# KiCad board panelised.kicad_pcb
title: Sensor Board PCB; date: 15/12/2025 (Last Edit); rev: B; company: The Retrievers
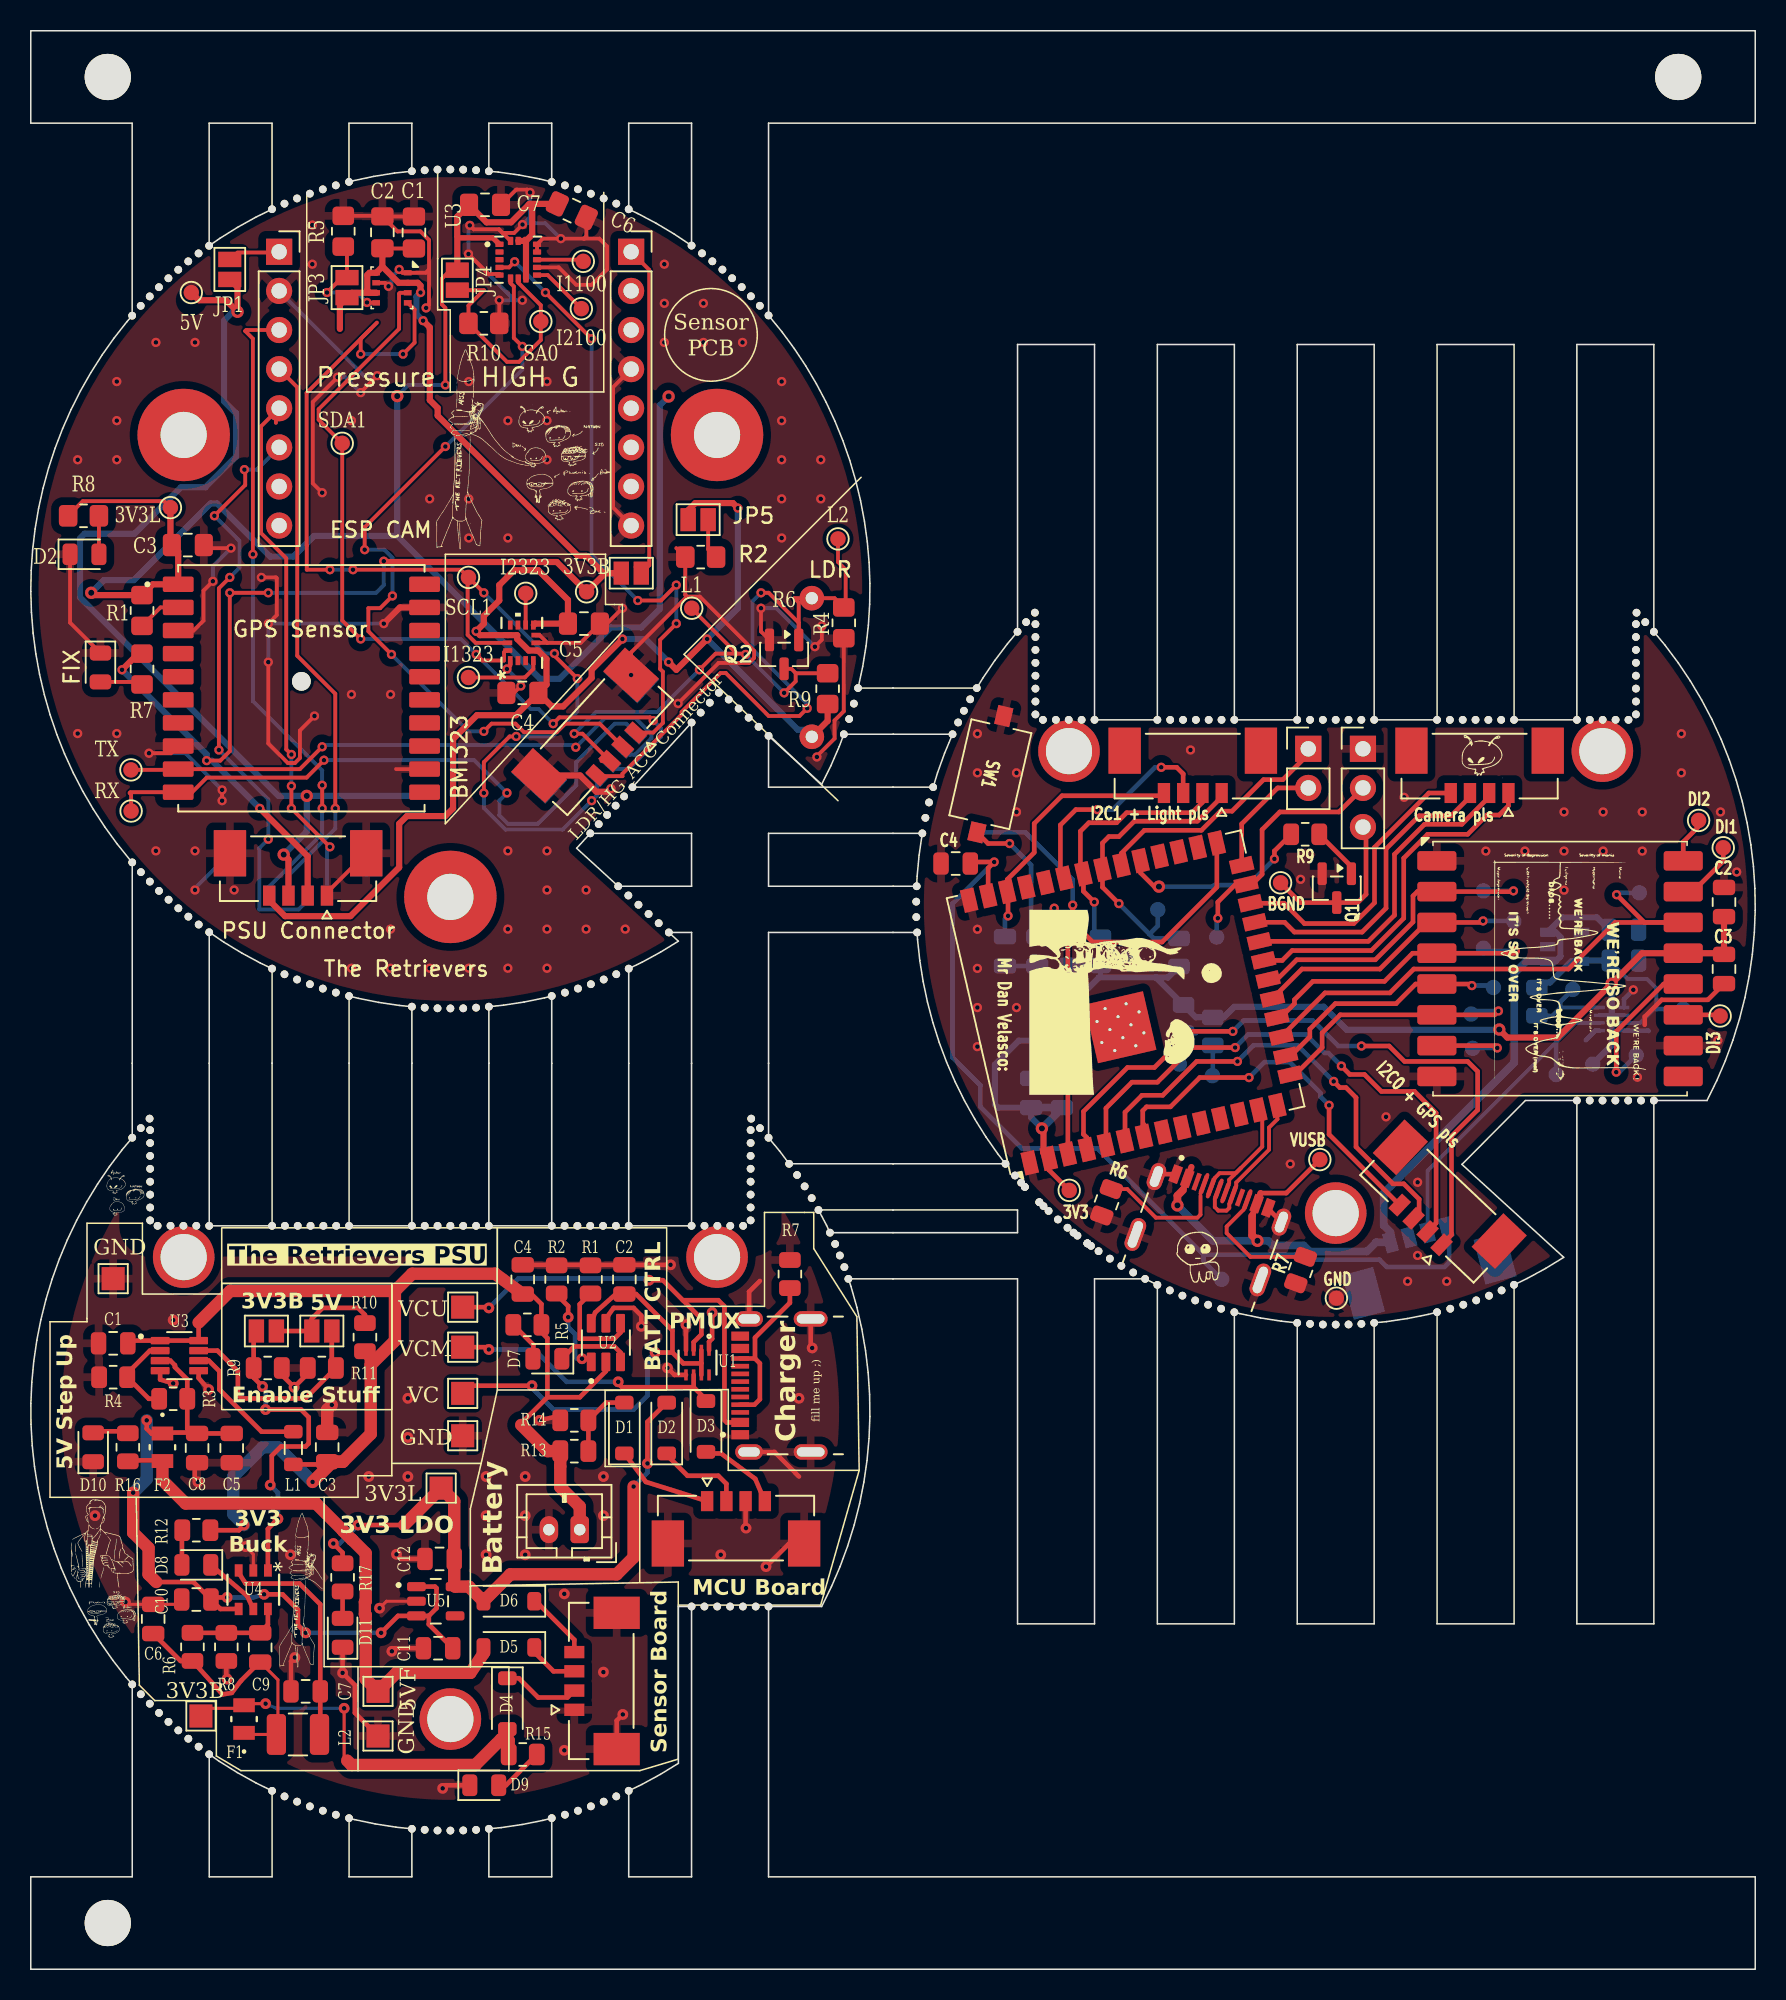
[diagram p0: board, top side]
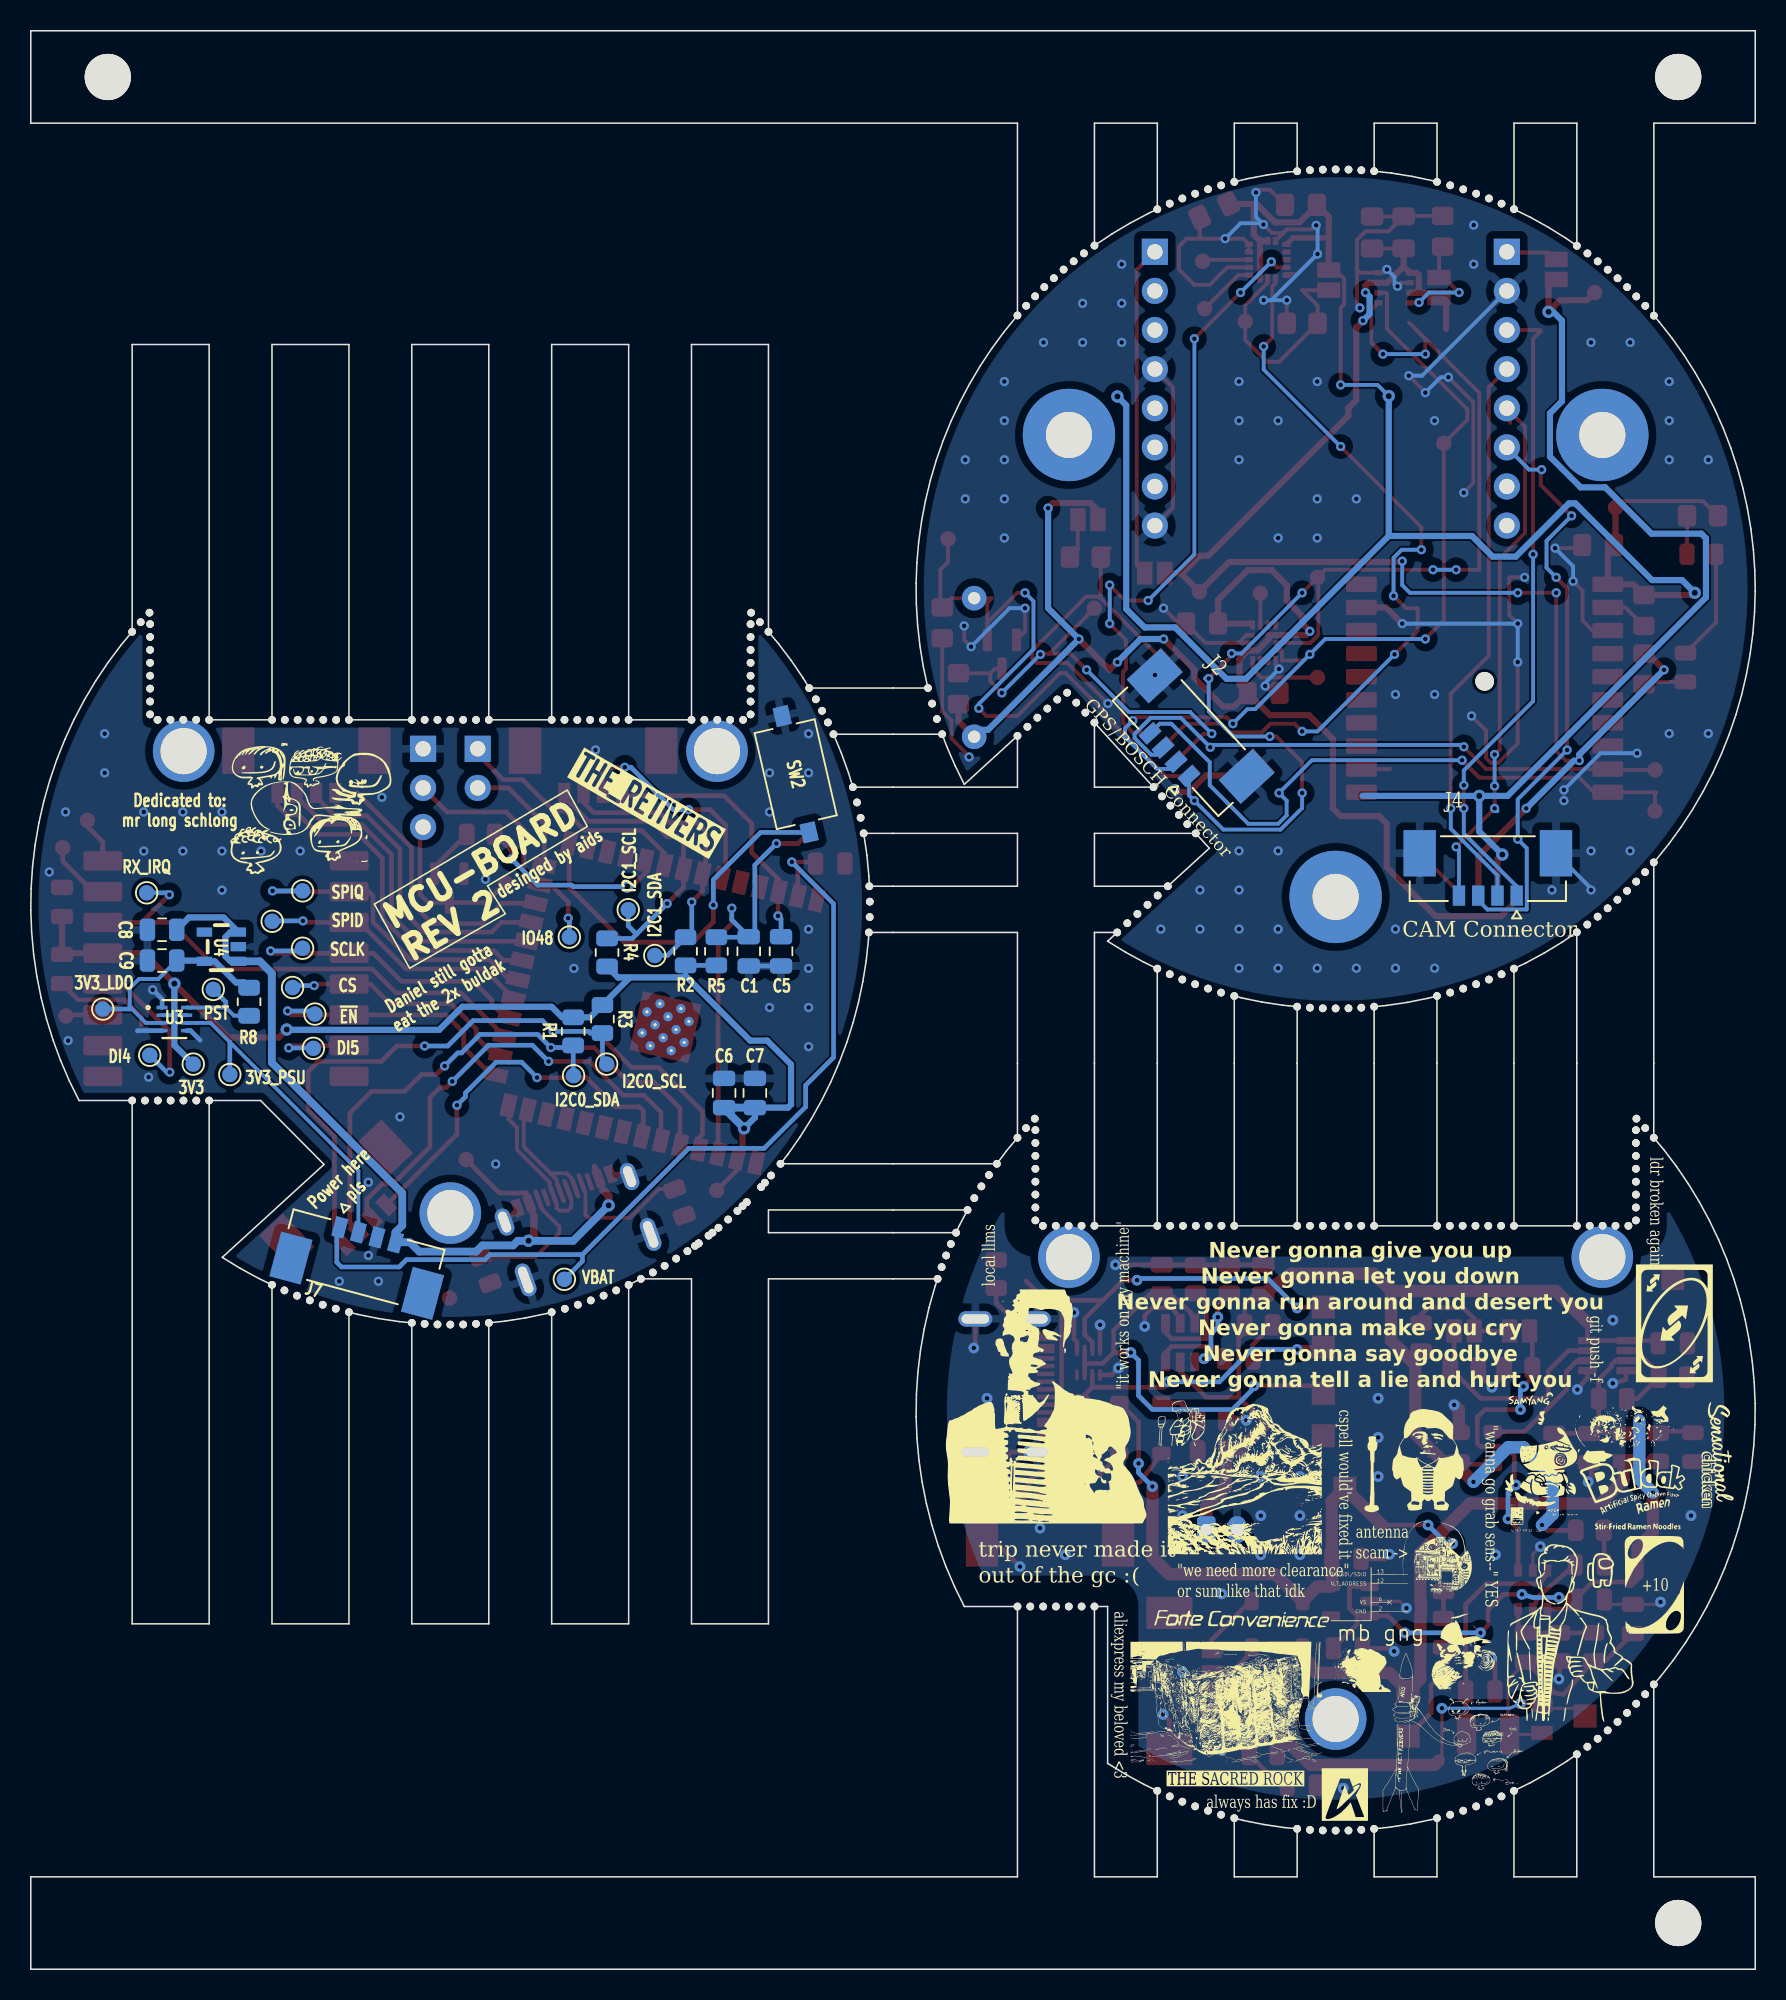
[diagram p1: board, bottom side, seen from below]

Outline 111.99 x 125.88 mm; copper layers: Top, Bottom. Coordinates in mm from the lower left corner of the outline.
Outline path: 42.91,111.93 41.79,112.69 40.62,113.38 39.42,114.02 38.83,114.29 38.83,119.88 42.91,119.88 42.91,111.93 ; 0,125.88 0,119.88 6.58,119.88 6.58,107.38 6.24,106.99 5.41,105.93 4.62,104.82 3.9,103.68 3.23,102.5 2.62,101.29 2.07,100.05 1.58,98.78 1.16,97.5 0.8,96.19 0.51,94.86 0.28,93.53 0.12,92.18 0.03,90.83 0,89.47 0.04,88.12 0.15,86.77 0.33,85.42 0.57,84.09 0.88,82.77 1.25,81.47 1.69,80.18 2.19,78.92 2.76,77.69 3.38,76.49 4.06,75.32 4.81,74.18 5.6,73.09 6.45,72.03 6.59,71.88 6.59,54 5.94,53.22 5.11,52.13 4.34,50.99 3.63,49.82 2.97,48.62 2.38,47.38 1.85,46.12 1.39,44.83 0.99,43.51 0.66,42.18 0.39,40.84 0.19,39.48 0.07,38.12 0.01,36.75 0.01,35.38 0.09,34.01 0.24,32.64 0.45,31.29 0.74,29.95 1.09,28.62 1.5,27.32 1.99,26.03 2.53,24.78 3.14,23.55 3.81,22.35 4.54,21.19 5.32,20.06 6.17,18.98 6.59,18.49 6.59,6 0,6 0,0 111.99,0 111.99,6 47.91,6 47.91,23.55 51.36,23.55 52,24.84 52.56,26.15 53.05,27.49 53.48,28.85 53.83,30.23 54.11,31.63 54.31,33.05 54.44,34.47 54.5,35.9 54.48,37.32 54.38,38.75 54.21,40.17 53.97,41.57 53.66,42.97 53.27,44.34 53.1,44.83 64.08,44.83 64.08,22.43 69.08,22.43 69.08,44.83 72.37,44.83 73.17,44.44 73.17,22.43 78.17,22.43 78.17,42.67 78.52,42.57 79.86,42.3 81.22,42.08 82.25,41.98 82.25,22.43 87.25,22.43 87.25,41.98 88.05,42.06 89.41,42.26 90.76,42.52 91.33,42.67 91.33,22.43 96.33,22.43 96.33,44.45 97.18,44.86 98.39,45.51 99.56,46.23 92.95,52.26 97.07,56.41 100.41,56.41 100.41,22.43 105.41,22.43 105.41,56.41 108.86,56.41 109.49,57.69 110.06,59.01 110.55,60.35 110.97,61.71 111.33,63.09 111.6,64.49 111.81,65.91 111.94,67.33 111.99,68.75 111.97,70.18 111.88,71.61 111.71,73.02 111.47,74.43 111.15,75.82 110.77,77.2 110.31,78.55 109.78,79.88 109.18,81.17 108.51,82.44 107.78,83.66 106.99,84.85 106.13,85.99 105.41,86.86 105.41,105.51 100.41,105.51 100.41,81.14 96.33,81.14 96.33,105.51 91.33,105.51 91.33,81.14 87.25,81.14 87.25,105.51 82.25,105.51 82.25,81.14 78.17,81.14 78.17,105.51 73.17,105.51 73.17,81.14 69.08,81.14 69.08,105.51 64.08,105.51 64.08,86.86 63.43,86.08 62.61,84.99 61.84,83.85 61.44,83.2 53.73,83.2 53.75,83.27 54.03,84.6 54.25,85.94 54.4,87.28 54.48,88.64 54.5,89.99 54.45,91.35 54.33,92.7 54.14,94.04 53.89,95.37 53.57,96.69 53.19,97.99 52.74,99.27 52.23,100.53 51.66,101.75 51.02,102.95 50.33,104.12 49.58,105.25 48.78,106.34 47.92,107.39 47.91,107.4 47.91,119.88 111.99,119.88 111.99,125.88 0,125.88 ; 11.58,119.88 15.67,119.88 15.67,114.3 14.61,113.78 13.43,113.12 12.28,112.4 11.58,111.92 11.58,119.88 ; 11.59,67.34 12.55,66.69 13.71,65.99 14.9,65.34 15.67,64.98 15.67,48.28 11.59,48.28 11.59,67.34 ; 11.59,13.96 12.25,13.49 13.42,12.77 14.61,12.1 15.67,11.58 15.67,6 11.59,6 11.59,13.96 ; 20.67,119.88 24.75,119.88 24.75,116.77 23.61,116.64 22.27,116.43 20.95,116.15 20.67,116.07 20.67,119.88 ; 20.67,63.2 21.26,63.05 22.59,62.79 23.93,62.59 24.75,62.51 24.75,48.28 20.67,48.28 20.67,63.2 ; 20.67,9.81 21.02,9.72 22.36,9.44 23.72,9.22 24.75,9.12 24.75,6 20.67,6 20.67,9.81 ; 29.75,119.88 33.83,119.88 33.83,116.07 33.05,116.26 31.72,116.52 30.37,116.71 29.75,116.76 29.75,119.88 ; 29.75,62.51 30.69,62.6 32.03,62.81 33.36,63.08 33.83,63.2 33.83,48.28 29.75,48.28 29.75,62.51 ; 29.75,9.12 30.56,9.2 31.91,9.4 33.26,9.67 33.83,9.81 33.83,6 29.75,6 29.75,9.12 ; 35.45,72.8 36.34,73.76 42.91,73.76 42.91,70.33 38.15,70.33 35.45,72.8 ; 38.83,64.98 39.71,65.4 40.9,66.05 42.06,66.76 41.44,67.33 42.91,67.33 42.91,48.28 38.83,48.28 38.83,64.98 ; 38.83,11.59 39.69,12 40.89,12.65 42.06,13.37 42.06,23.55 42.91,23.55 42.91,6 38.83,6 38.83,11.59 ; 39.08,76.76 42.91,80.96 42.91,76.76 39.08,76.76 ; 47.91,80.1 51.36,76.95 51.97,78.16 52.51,79.4 52.81,80.2 59.86,80.2 59.35,78.97 58.89,77.68 58.61,76.76 47.91,76.76 47.91,80.1 ; 47.91,73.76 57.9,73.76 57.89,73.7 57.69,72.34 57.56,70.98 57.53,70.33 47.91,70.33 47.91,73.76 ; 47.91,67.33 57.56,67.33 57.59,66.87 57.74,65.5 57.95,64.15 58.24,62.81 58.59,61.48 59,60.18 59.48,58.89 60.03,57.63 60.64,56.41 61.31,55.21 62.04,54.05 62.82,52.92 63.3,52.3 49.25,52.3 48.63,53.13 47.91,54 47.91,67.33 ; 51.16,49.3 64.08,49.3 64.08,47.83 51.9,47.83 51.68,48.31 51.16,49.3
Stack: Top 0.035mm / dielectric 1.51mm FR4 er 4.5 / Bottom 0.035mm

## Placement (name value [footprint] x y rotation side)
3V3_Buck_TP1  TestPoint  [TestPoint_Pad_1.5x1.5mm]  11.05 16.45 0 top
3V3_LDO_TP1  TestPoint  [TestPoint_Pad_1.5x1.5mm]  26.65 31.25 0 top
3V3B  TestPoint  [TestPoint_Pad_D1.0mm]  36.1 89.45 0 top
3V3L  TestPoint  [TestPoint_Pad_D1.0mm]  9.07 94.92 0 top
5V  TestPoint  [TestPoint_Pad_D1.0mm]  10.42 108.89 0 top
5V_TP1  TestPoint  [TestPoint_Pad_1.5x1.5mm]  22.55 18.05 0 top
C1  100nF  [C_0805_2012Metric_Pad1.18x1.45mm_HandSolder]  24.88 112.78 270 top
C1#2  22uF  [C_0805_2012Metric]  5.35 40.65 180 top
C1#3  1uf  [C_0805_2012Metric#2]  65.37 66.1 270 bottom
C2  100nF  [C_0805_2012Metric_Pad1.18x1.45mm_HandSolder]  22.83 112.8 90 top
C2#2  1uF  [C_0805_2012Metric]  38.55 44.8 90 top
C2#3  22uf  [C_0805_2012Metric]  109.97 69.3 90 top
C3  0.1uf  [C_0805_2012Metric]  109.97 64.95 270 top
C3#2  22uF  [C_0805_2012Metric_Pad1.18x1.45mm_HandSolder]  10.2 92.49 0 top
C3#3  22uF  [C_0805_2012Metric]  19.25 33.91 270 top
C4  1uF  [C_0805_2012Metric]  31.95 44.8 90 top
C4#2  0.1uf  [C_0805_2012Metric]  60.07 71.8 180 top
C4#3  100nF  [C_0805_2012Metric_Pad1.18x1.45mm_HandSolder]  31.92 82.89 0 top
C5  22uF  [C_0805_2012Metric]  13.05 33.85 90 top
C5#2  100nF  [C_0805_2012Metric_Pad1.18x1.45mm_HandSolder]  35.92 87.39 0 top
C5#3  0.1uf  [C_0805_2012Metric#2]  63.27 66.1 90 bottom
C6  22uF  [C_0805_2012Metric]  7.95 22.75 270 top
C6#2  10uF  [C_0805_2012Metric_Pad1.18x1.45mm_HandSolder]  35.14 114.2 335 top
C6#3  22uf  [C_0805_2012Metric]  66.97 56.9 90 bottom
C7  22uF  [C_0805_2012Metric]  17.85 18.05 0 top
C7#2  100nF  [C_0805_2012Metric_Pad1.18x1.45mm_HandSolder]  29.5 114.58 0 top
C7#3  0.1uf  [C_0805_2012Metric]  64.97 56.9 90 bottom
C8  22uF  [C_0805_2012Metric]  10.8 33.85 270 top
C8#2  1u  [C_0805_2012Metric]  103.47 67.5 180 bottom
C9  22pF  [C_0805_2012Metric]  14.9 20.9 90 top
C9#2  1u  [C_0805_2012Metric]  103.47 65.5 180 bottom
C10  22uF  [C_0805_2012Metric]  10.75 24.01 180 top
C11  1uF  [C_0805_2012Metric]  26.45 20.85 180 top
C12  1uF  [C_0805_2012Metric]  26.55 26.65 180 top
D1  LED  [LED_0805_2012Metric]  4.52 84.54 270 top
D1#2  D_Schottky  [D_SOD-123]  38.55 35.15 90 top
D2  D_Schottky  [D_SOD-123]  41.3 35.15 90 top
D2#2  LED  [LED_0805_2012Metric]  3.49 91.89 0 top
D3  D_Schottky  [D_SOD-123]  43.85 35.25 270 top
D4  D_Schottky  [D_SOD-123]  30.95 17.25 270 top
D5  D_Schottky  [D_SOD-123]  31.05 20.9 180 top
D6  D_Schottky  [D_SOD-123]  31.05 23.9 180 top
D7  Green  [LED_0805_2012Metric]  33.55 39.65 180 top
D8  Green  [LED_0805_2012Metric]  10.75 26.26 180 top
D9  Green  [LED_0805_2012Metric]  29.45 11.95 0 top
D10  Green  [LED_0805_2012Metric]  4.05 33.9 90 top
D11  Green  [LED_0805_2012Metric]  20.25 21.85 90 top
EN_3V3  EN_5  [SolderJumper-2_P1.3mm_Open_Pad1.0x1.5mm]  15.3 41.45 0 top
EN_5  EN_5  [SolderJumper-2_P1.3mm_Open_Pad1.0x1.5mm]  18.9 41.45 180 top
F1  1.5A  [FUS_VISHAY_MFU0805_VIS]  13.85 16.25 90 top
F2  1.5A  [FUS_VISHAY_MFU0805_VIS]  8.55 33.9 270 top
G***  -  [LOGO]  71.59 62.79 270 top
G***#2  -  [LOGO]  99.32 65.09 270 top
G***#3  -  [LOGO]  7 48.82 0 top
G***#4  -  [LOGO]  17.45 24.45 0 top
G***#5  -  [LOGO]  31.98 97.4 0 top
G***#6  -  [LOGO]  4.33 27.85 0 top
G***#7  -  [LOGO]  75.91 46.26 0 top
G***#8  -  [LOGO]  5.39 24.12 0 top
G***#9  -  [LOGO]  93.62 79.2 0 top
G***#10  -  [LOGO]  94.37 75.3 90 bottom
G***#11  -  [LOGO]  2.45 29.32 270 bottom
G***#12  -  [LOGO]  33.09 22.7 180 bottom
G***#13  -  [LOGO]  6.55 24.95 180 bottom
G***#14  -  [LOGO]  97.04 78.13 180 bottom
G***#15  -  [LOGO]  36.65 35.75 180 bottom
G***#16  -  [LOGO]  26.65 11.35 180 bottom
G***#17  -  [LOGO]  34.33 16.98 180 bottom
G***#18  -  [LOGO]  46.39 36.55 180 bottom
G***#19  -  [LOGO]  90.47 77.3 180 bottom
G***#20  -  [LOGO]  33.15 31.95 180 bottom
G***#21  -  [LOGO]  18.95 20.65 180 bottom
G***#22  -  [LOGO]  10.25 32.75 180 bottom
G***#23  -  [LOGO]  93.42 78.05 180 bottom
G***#24  -  [LOGO]  21.25 33.25 180 bottom
G***#25  -  [LOGO]  19.68 14.3 180 bottom
G***#26  -  [LOGO]  12.65 22.25 180 bottom
G***#27  -  [LOGO]  20.57 26.25 0 bottom
G***#28  -  [LOGO]  26.15 19.45 180 bottom
G***#29  -  [LOGO]  92.12 73.45 180 bottom
G***#30  -  [LOGO]  97.28 72.7 180 bottom
G***#31  -  [LOGO]  25.05 24.04 180 bottom
G***#32  -  [LOGO]  5.25 41.95 180 bottom
G***#33  -  [LOGO]  10.05 25.85 180 bottom
GND_TP1  TestPoint  [TestPoint_Pad_1.5x1.5mm]  28.05 34.65 0 top
GND_TP2  TestPoint  [TestPoint_Pad_1.5x1.5mm]  5.35 44.85 0 top
GND_TP3  TestPoint  [TestPoint_Pad_1.5x1.5mm]  22.55 15.15 0 top
H1  MountingHole  [Mounting-Hole-3mm-0.05mm-pad]  67.43 79.1 0 top
H1#2  MountingHole  [MountingHole_3mm_Pad#2]  9.93 46.25 0 top
H1#3  MountingHole  [MountingHole_3mm_Pad]  9.93 99.64 0 top
H2  MountingHole  [MountingHole_3mm_Pad]  44.57 99.64 0 top
H2#2  MountingHole  [MountingHole_3mm_Pad#2]  44.57 46.25 0 top
H2#3  MountingHole  [Mounting-Hole-3mm-0.05mm-pad]  102.07 79.1 0 top
H3  MountingHole  [MountingHole_3mm_Pad]  27.25 69.64 0 top
H3#2  MountingHole  [MountingHole_3mm_Pad#2]  27.25 16.25 0 top
H3#3  MountingHole  [Mounting-Hole-3mm-0.05mm-pad]  84.75 49.1 0 top
I1100  TestPoint  [TestPoint_Pad_D1.0mm]  35.88 110.91 0 top
I1323  TestPoint  [TestPoint_Pad_D1.0mm]  28.42 83.89 0 top
I2100  TestPoint  [TestPoint_Pad_D1.0mm]  35.76 107.84 0 top
I2323  TestPoint  [TestPoint_Pad_D1.0mm]  32.14 89.35 0 top
J1  Conn_01x03  [PinHeader_1x03_P2.54mm_Vertical]  86.52 79.25 0 top
J1#2  533980471  [MOLEX_533980471]  36.73 80.11 47.5 top
J1#3  533980471  [MOLEX_533980471#3]  37.05 18.72 270 top
J2  533980471  [MOLEX_533980471#3]  45.8 28.65 180 top
J2#2  Conn_01x02  [PinHeader_1x02_P2.54mm_Vertical]  82.97 79.25 0 top
J2#3  533980471  [MOLEX_533980471#3]  36.75 80.05 227.5 bottom
J3  533980471  [MOLEX_533980471#2]  91.47 49.6 316.5 top
J3#2  UJ20-C-H-G-SMT-1-P16-TR  [SAMESKY_UJ20-C-H-G-SMT-P16-TR]  50.65 37.91 90 top
J3#3  533980471  [MOLEX_533980471#3]  17.36 71.47 0 top
J4  533980471  [MOLEX_533980471#3]  75.47 78.13 0 top
J4#2  B2B-PH-K-S  [JST_PH_B2B-PH-K_1x02_P2.00mm_Vertical]  35.65 28.55 180 top
J4#3  533980471  [MOLEX_533980471#3]  17.37 71.47 180 bottom
J5  533980471  [MOLEX_533980471#2]  94.09 78.13 0 top
J6  UJ20-C-H-G-SMT-P16-TR  [SAMESKY_UJ20-C-H-G-SMT-P16-TR]  75.8 46.24 340 top
J7  533980471  [MOLEX_533980471#4]  90.57 46 15 bottom
JP1  EN_5  [SolderJumper-2_P1.3mm_Open_Pad1.0x1.5mm]  12.92 110.39 90 top
JP2  EN_5  [SolderJumper-2_P1.3mm_Open_Pad1.0x1.5mm]  39 90.66 0 top
JP3  EN_5  [SolderJumper-2_P1.3mm_Open_Pad1.0x1.5mm]  20.53 109.21 90 top
JP4  EN_5  [SolderJumper-2_P1.3mm_Open_Pad1.0x1.5mm]  27.7 109.69 270 top
JP5  EN_5  [SolderJumper-2_P1.3mm_Open_Pad1.0x1.5mm]  43.34 94.14 0 top
KiKit_MB_1_1  -  [NPTH]  53.73 83.2 0 top
KiKit_MB_1_2  -  [NPTH]  53.46 82.19 0 top
KiKit_MB_1_3  -  [NPTH]  53.15 81.19 0 top
KiKit_MB_1_4  -  [NPTH]  52.81 80.2 0 top
KiKit_MB_2_1  -  [NPTH]  39.08 76.76 0 top
KiKit_MB_2_2  -  [NPTH]  38.53 76.16 0 top
KiKit_MB_2_3  -  [NPTH]  37.98 75.56 0 top
KiKit_MB_2_4  -  [NPTH]  37.43 74.96 0 top
KiKit_MB_2_5  -  [NPTH]  36.88 74.36 0 top
KiKit_MB_2_6  -  [NPTH]  36.34 73.76 0 top
KiKit_MB_3_1  -  [NPTH]  38.15 70.33 0 top
KiKit_MB_3_2  -  [NPTH]  38.81 69.73 0 top
KiKit_MB_3_3  -  [NPTH]  39.47 69.13 0 top
KiKit_MB_3_4  -  [NPTH]  40.12 68.53 0 top
KiKit_MB_3_5  -  [NPTH]  40.78 67.93 0 top
KiKit_MB_3_6  -  [NPTH]  41.44 67.33 0 top
KiKit_MB_4_1  -  [NPTH]  6.58 107.38 0 top
KiKit_MB_4_2  -  [NPTH]  7.14 108.02 0 top
KiKit_MB_4_3  -  [NPTH]  7.72 108.63 0 top
KiKit_MB_4_4  -  [NPTH]  8.32 109.23 0 top
KiKit_MB_4_5  -  [NPTH]  8.94 109.81 0 top
KiKit_MB_4_6  -  [NPTH]  9.58 110.37 0 top
KiKit_MB_4_7  -  [NPTH]  10.23 110.91 0 top
KiKit_MB_4_8  -  [NPTH]  10.9 111.43 0 top
KiKit_MB_4_9  -  [NPTH]  11.58 111.92 0 top
KiKit_MB_5_1  -  [NPTH]  15.67 114.3 0 top
KiKit_MB_5_2  -  [NPTH]  16.48 114.66 0 top
KiKit_MB_5_3  -  [NPTH]  17.29 115 0 top
KiKit_MB_5_4  -  [NPTH]  18.12 115.31 0 top
KiKit_MB_5_5  -  [NPTH]  18.96 115.59 0 top
KiKit_MB_5_6  -  [NPTH]  19.81 115.85 0 top
KiKit_MB_5_7  -  [NPTH]  20.67 116.07 0 top
KiKit_MB_6_1  -  [NPTH]  24.75 116.77 0 top
KiKit_MB_6_2  -  [NPTH]  25.58 116.83 0 top
KiKit_MB_6_3  -  [NPTH]  26.41 116.87 0 top
KiKit_MB_6_4  -  [NPTH]  27.25 116.88 0 top
KiKit_MB_6_5  -  [NPTH]  28.08 116.87 0 top
KiKit_MB_6_6  -  [NPTH]  28.92 116.83 0 top
KiKit_MB_6_7  -  [NPTH]  29.75 116.76 0 top
KiKit_MB_7_1  -  [NPTH]  33.83 116.07 0 top
KiKit_MB_7_2  -  [NPTH]  34.69 115.84 0 top
KiKit_MB_7_3  -  [NPTH]  35.54 115.59 0 top
KiKit_MB_7_4  -  [NPTH]  36.37 115.3 0 top
KiKit_MB_7_5  -  [NPTH]  37.21 115 0 top
KiKit_MB_7_6  -  [NPTH]  38.03 114.66 0 top
KiKit_MB_7_7  -  [NPTH]  38.83 114.29 0 top
KiKit_MB_8_1  -  [NPTH]  42.91 111.93 0 top
KiKit_MB_8_2  -  [NPTH]  43.59 111.43 0 top
KiKit_MB_8_3  -  [NPTH]  44.26 110.91 0 top
KiKit_MB_8_4  -  [NPTH]  44.92 110.38 0 top
KiKit_MB_8_5  -  [NPTH]  45.55 109.82 0 top
KiKit_MB_8_6  -  [NPTH]  46.17 109.24 0 top
KiKit_MB_8_7  -  [NPTH]  46.77 108.64 0 top
KiKit_MB_8_8  -  [NPTH]  47.35 108.03 0 top
KiKit_MB_8_9  -  [NPTH]  47.91 107.4 0 top
KiKit_MB_9_1  -  [NPTH]  11.59 67.34 0 top
KiKit_MB_9_2  -  [NPTH]  10.91 67.84 0 top
KiKit_MB_9_3  -  [NPTH]  10.23 68.36 0 top
KiKit_MB_9_4  -  [NPTH]  9.58 68.9 0 top
KiKit_MB_9_5  -  [NPTH]  8.95 69.46 0 top
KiKit_MB_9_6  -  [NPTH]  8.33 70.03 0 top
KiKit_MB_9_7  -  [NPTH]  7.73 70.63 0 top
KiKit_MB_9_8  -  [NPTH]  7.15 71.24 0 top
KiKit_MB_9_9  -  [NPTH]  6.59 71.88 0 top
KiKit_MB_10_1  -  [NPTH]  20.67 63.2 0 top
KiKit_MB_10_2  -  [NPTH]  19.81 63.42 0 top
KiKit_MB_10_3  -  [NPTH]  18.96 63.68 0 top
KiKit_MB_10_4  -  [NPTH]  18.13 63.97 0 top
KiKit_MB_10_5  -  [NPTH]  17.29 64.27 0 top
KiKit_MB_10_6  -  [NPTH]  16.48 64.61 0 top
KiKit_MB_10_7  -  [NPTH]  15.67 64.98 0 top
KiKit_MB_11_1  -  [NPTH]  29.75 62.51 0 top
KiKit_MB_11_2  -  [NPTH]  28.92 62.44 0 top
KiKit_MB_11_3  -  [NPTH]  28.09 62.4 0 top
KiKit_MB_11_4  -  [NPTH]  27.25 62.39 0 top
KiKit_MB_11_5  -  [NPTH]  26.42 62.4 0 top
KiKit_MB_11_6  -  [NPTH]  25.58 62.44 0 top
KiKit_MB_11_7  -  [NPTH]  24.75 62.51 0 top
KiKit_MB_12_1  -  [NPTH]  38.83 64.98 0 top
KiKit_MB_12_2  -  [NPTH]  38.02 64.62 0 top
KiKit_MB_12_3  -  [NPTH]  37.21 64.27 0 top
KiKit_MB_12_4  -  [NPTH]  36.38 63.97 0 top
KiKit_MB_12_5  -  [NPTH]  35.54 63.68 0 top
KiKit_MB_12_6  -  [NPTH]  34.69 63.42 0 top
KiKit_MB_12_7  -  [NPTH]  33.83 63.2 0 top
KiKit_MB_13_1  -  [NPTH]  47.91 80.1 0 top
KiKit_MB_13_2  -  [NPTH]  47.27 80.69 0 top
KiKit_MB_13_3  -  [NPTH]  46.62 81.28 0 top
KiKit_MB_13_4  -  [NPTH]  45.97 81.87 0 top
KiKit_MB_13_5  -  [NPTH]  45.33 82.46 0 top
KiKit_MB_13_6  -  [NPTH]  44.69 82.9 0 top
KiKit_MB_13_7  -  [NPTH]  44.1 82.25 0 top
KiKit_MB_13_8  -  [NPTH]  43.51 81.6 0 top
KiKit_MB_13_9  -  [NPTH]  42.91 80.96 0 top
KiKit_MB_14_1  -  [NPTH]  49.25 52.3 0 top
KiKit_MB_14_2  -  [NPTH]  49.76 51.58 0 top
KiKit_MB_14_3  -  [NPTH]  50.26 50.84 0 top
KiKit_MB_14_4  -  [NPTH]  50.72 50.08 0 top
KiKit_MB_14_5  -  [NPTH]  51.16 49.3 0 top
KiKit_MB_15_1  -  [NPTH]  51.9 47.83 0 top
KiKit_MB_15_2  -  [NPTH]  52.24 47.1 0 top
KiKit_MB_15_3  -  [NPTH]  52.54 46.35 0 top
KiKit_MB_15_4  -  [NPTH]  52.84 45.6 0 top
KiKit_MB_15_5  -  [NPTH]  53.1 44.83 0 top
KiKit_MB_16_1  -  [NPTH]  6.59 54 0 top
KiKit_MB_16_2  -  [NPTH]  7.14 54.62 0 top
KiKit_MB_16_3  -  [NPTH]  7.71 55.24 0 top
KiKit_MB_16_4  -  [NPTH]  7.75 54.49 0 top
KiKit_MB_16_5  -  [NPTH]  7.75 53.66 0 top
KiKit_MB_16_6  -  [NPTH]  7.75 52.82 0 top
KiKit_MB_16_7  -  [NPTH]  7.75 51.98 0 top
KiKit_MB_16_8  -  [NPTH]  7.75 51.14 0 top
KiKit_MB_16_9  -  [NPTH]  7.75 50.3 0 top
KiKit_MB_16_10  -  [NPTH]  7.75 49.47 0 top
KiKit_MB_16_11  -  [NPTH]  7.75 48.63 0 top
KiKit_MB_16_12  -  [NPTH]  8.24 48.28 0 top
KiKit_MB_16_13  -  [NPTH]  9.07 48.28 0 top
KiKit_MB_16_14  -  [NPTH]  9.91 48.28 0 top
KiKit_MB_16_15  -  [NPTH]  10.75 48.28 0 top
KiKit_MB_16_16  -  [NPTH]  11.59 48.28 0 top
KiKit_MB_17_1  -  [NPTH]  15.67 48.28 0 top
KiKit_MB_17_2  -  [NPTH]  16.5 48.28 0 top
KiKit_MB_17_3  -  [NPTH]  17.34 48.28 0 top
KiKit_MB_17_4  -  [NPTH]  18.17 48.28 0 top
KiKit_MB_17_5  -  [NPTH]  19 48.28 0 top
KiKit_MB_17_6  -  [NPTH]  19.84 48.28 0 top
KiKit_MB_17_7  -  [NPTH]  20.67 48.28 0 top
KiKit_MB_18_1  -  [NPTH]  24.75 48.28 0 top
KiKit_MB_18_2  -  [NPTH]  25.58 48.28 0 top
KiKit_MB_18_3  -  [NPTH]  26.42 48.28 0 top
KiKit_MB_18_4  -  [NPTH]  27.25 48.28 0 top
KiKit_MB_18_5  -  [NPTH]  28.08 48.28 0 top
KiKit_MB_18_6  -  [NPTH]  28.92 48.28 0 top
KiKit_MB_18_7  -  [NPTH]  29.75 48.28 0 top
KiKit_MB_19_1  -  [NPTH]  33.83 48.28 0 top
KiKit_MB_19_2  -  [NPTH]  34.67 48.28 0 top
KiKit_MB_19_3  -  [NPTH]  35.5 48.28 0 top
KiKit_MB_19_4  -  [NPTH]  36.33 48.28 0 top
KiKit_MB_19_5  -  [NPTH]  37.17 48.28 0 top
KiKit_MB_19_6  -  [NPTH]  38 48.28 0 top
KiKit_MB_19_7  -  [NPTH]  38.83 48.28 0 top
KiKit_MB_20_1  -  [NPTH]  42.91 48.28 0 top
KiKit_MB_20_2  -  [NPTH]  43.75 48.28 0 top
KiKit_MB_20_3  -  [NPTH]  44.59 48.28 0 top
KiKit_MB_20_4  -  [NPTH]  45.43 48.28 0 top
KiKit_MB_20_5  -  [NPTH]  46.27 48.28 0 top
KiKit_MB_20_6  -  [NPTH]  46.75 48.63 0 top
KiKit_MB_20_7  -  [NPTH]  46.75 49.47 0 top
KiKit_MB_20_8  -  [NPTH]  46.75 50.31 0 top
KiKit_MB_20_9  -  [NPTH]  46.75 51.14 0 top
KiKit_MB_20_10  -  [NPTH]  46.75 51.98 0 top
KiKit_MB_20_11  -  [NPTH]  46.75 52.82 0 top
KiKit_MB_20_12  -  [NPTH]  46.75 53.66 0 top
KiKit_MB_20_13  -  [NPTH]  46.75 54.5 0 top
KiKit_MB_20_14  -  [NPTH]  46.79 55.24 0 top
KiKit_MB_20_15  -  [NPTH]  47.36 54.62 0 top
KiKit_MB_20_16  -  [NPTH]  47.91 54 0 top
KiKit_MB_21_1  -  [NPTH]  11.59 13.96 0 top
KiKit_MB_21_2  -  [NPTH]  10.9 14.45 0 top
KiKit_MB_21_3  -  [NPTH]  10.23 14.97 0 top
KiKit_MB_21_4  -  [NPTH]  9.58 15.51 0 top
KiKit_MB_21_5  -  [NPTH]  8.94 16.06 0 top
KiKit_MB_21_6  -  [NPTH]  8.33 16.65 0 top
KiKit_MB_21_7  -  [NPTH]  7.73 17.24 0 top
KiKit_MB_21_8  -  [NPTH]  7.14 17.86 0 top
KiKit_MB_21_9  -  [NPTH]  6.59 18.49 0 top
KiKit_MB_22_1  -  [NPTH]  20.67 9.81 0 top
KiKit_MB_22_2  -  [NPTH]  19.81 10.03 0 top
KiKit_MB_22_3  -  [NPTH]  18.97 10.29 0 top
KiKit_MB_22_4  -  [NPTH]  18.13 10.57 0 top
KiKit_MB_22_5  -  [NPTH]  17.3 10.88 0 top
KiKit_MB_22_6  -  [NPTH]  16.48 11.22 0 top
KiKit_MB_22_7  -  [NPTH]  15.67 11.58 0 top
KiKit_MB_23_1  -  [NPTH]  29.75 9.12 0 top
KiKit_MB_23_2  -  [NPTH]  28.92 9.05 0 top
KiKit_MB_23_3  -  [NPTH]  28.09 9.01 0 top
KiKit_MB_23_4  -  [NPTH]  27.25 9 0 top
KiKit_MB_23_5  -  [NPTH]  26.42 9.01 0 top
KiKit_MB_23_6  -  [NPTH]  25.58 9.05 0 top
KiKit_MB_23_7  -  [NPTH]  24.75 9.12 0 top
KiKit_MB_24_1  -  [NPTH]  38.83 11.59 0 top
KiKit_MB_24_2  -  [NPTH]  38.02 11.22 0 top
KiKit_MB_24_3  -  [NPTH]  37.21 10.88 0 top
KiKit_MB_24_4  -  [NPTH]  36.38 10.58 0 top
KiKit_MB_24_5  -  [NPTH]  35.54 10.29 0 top
KiKit_MB_24_6  -  [NPTH]  34.69 10.03 0 top
KiKit_MB_24_7  -  [NPTH]  33.83 9.81 0 top
KiKit_MB_25_1  -  [NPTH]  47.91 23.55 0 top
KiKit_MB_25_2  -  [NPTH]  47.08 23.55 0 top
KiKit_MB_25_3  -  [NPTH]  46.25 23.55 0 top
KiKit_MB_25_4  -  [NPTH]  45.41 23.55 0 top
KiKit_MB_25_5  -  [NPTH]  44.58 23.55 0 top
KiKit_MB_25_6  -  [NPTH]  43.75 23.55 0 top
KiKit_MB_25_7  -  [NPTH]  42.91 23.55 0 top
KiKit_MB_26_1  -  [NPTH]  59.86 80.2 0 top
KiKit_MB_26_2  -  [NPTH]  60.23 80.97 0 top
KiKit_MB_26_3  -  [NPTH]  60.6 81.72 0 top
KiKit_MB_26_4  -  [NPTH]  61.01 82.47 0 top
KiKit_MB_26_5  -  [NPTH]  61.44 83.2 0 top
KiKit_MB_27_1  -  [NPTH]  57.9 73.76 0 top
KiKit_MB_27_2  -  [NPTH]  58.1 74.77 0 top
KiKit_MB_27_3  -  [NPTH]  58.34 75.77 0 top
KiKit_MB_27_4  -  [NPTH]  58.61 76.76 0 top
KiKit_MB_28_1  -  [NPTH]  57.56 67.33 0 top
KiKit_MB_28_2  -  [NPTH]  57.51 68.33 0 top
KiKit_MB_28_3  -  [NPTH]  57.5 69.33 0 top
KiKit_MB_28_4  -  [NPTH]  57.53 70.33 0 top
KiKit_MB_29_1  -  [NPTH]  65.77 49.56 0 top
KiKit_MB_30_1  -  [NPTH]  65.5 49.81 0 top
KiKit_MB_30_2  -  [NPTH]  64.56 50.8 0 top
KiKit_MB_31_1  -  [NPTH]  64.56 50.8 0 top
KiKit_MB_31_2  -  [NPTH]  63.92 51.54 0 top
KiKit_MB_31_3  -  [NPTH]  63.3 52.3 0 top
KiKit_MB_32_1  -  [NPTH]  72.37 44.83 0 top
KiKit_MB_32_2  -  [NPTH]  71.6 45.25 0 top
KiKit_MB_32_3  -  [NPTH]  70.83 45.68 0 top
KiKit_MB_32_4  -  [NPTH]  70.08 46.15 0 top
KiKit_MB_32_5  -  [NPTH]  69.35 46.63 0 top
KiKit_MB_32_6  -  [NPTH]  68.62 47.14 0 top
KiKit_MB_33_1  -  [NPTH]  68.62 47.14 0 top
KiKit_MB_33_2  -  [NPTH]  67.72 47.83 0 top
KiKit_MB_34_1  -  [NPTH]  64.08 86.86 0 top
KiKit_MB_34_2  -  [NPTH]  64.64 87.48 0 top
KiKit_MB_34_3  -  [NPTH]  65.21 88.1 0 top
KiKit_MB_34_4  -  [NPTH]  65.25 87.35 0 top
KiKit_MB_34_5  -  [NPTH]  65.25 86.51 0 top
KiKit_MB_34_6  -  [NPTH]  65.25 85.68 0 top
KiKit_MB_34_7  -  [NPTH]  65.25 84.84 0 top
KiKit_MB_34_8  -  [NPTH]  65.25 84 0 top
KiKit_MB_34_9  -  [NPTH]  65.25 83.16 0 top
KiKit_MB_34_10  -  [NPTH]  65.25 82.33 0 top
KiKit_MB_34_11  -  [NPTH]  65.25 81.49 0 top
KiKit_MB_34_12  -  [NPTH]  65.73 81.14 0 top
KiKit_MB_34_13  -  [NPTH]  66.57 81.14 0 top
KiKit_MB_34_14  -  [NPTH]  67.41 81.14 0 top
KiKit_MB_34_15  -  [NPTH]  68.25 81.14 0 top
KiKit_MB_34_16  -  [NPTH]  69.08 81.14 0 top
KiKit_MB_35_1  -  [NPTH]  73.17 81.14 0 top
KiKit_MB_35_2  -  [NPTH]  74 81.14 0 top
KiKit_MB_35_3  -  [NPTH]  74.83 81.14 0 top
KiKit_MB_35_4  -  [NPTH]  75.67 81.14 0 top
KiKit_MB_35_5  -  [NPTH]  76.5 81.14 0 top
KiKit_MB_35_6  -  [NPTH]  77.33 81.14 0 top
KiKit_MB_35_7  -  [NPTH]  78.17 81.14 0 top
KiKit_MB_36_1  -  [NPTH]  82.25 81.14 0 top
KiKit_MB_36_2  -  [NPTH]  83.08 81.14 0 top
KiKit_MB_36_3  -  [NPTH]  83.92 81.14 0 top
KiKit_MB_36_4  -  [NPTH]  84.75 81.14 0 top
KiKit_MB_36_5  -  [NPTH]  85.58 81.14 0 top
KiKit_MB_36_6  -  [NPTH]  86.42 81.14 0 top
KiKit_MB_36_7  -  [NPTH]  87.25 81.14 0 top
KiKit_MB_37_1  -  [NPTH]  91.33 81.14 0 top
KiKit_MB_37_2  -  [NPTH]  92.16 81.14 0 top
KiKit_MB_37_3  -  [NPTH]  93 81.14 0 top
KiKit_MB_37_4  -  [NPTH]  93.83 81.14 0 top
KiKit_MB_37_5  -  [NPTH]  94.66 81.14 0 top
KiKit_MB_37_6  -  [NPTH]  95.5 81.14 0 top
KiKit_MB_37_7  -  [NPTH]  96.33 81.14 0 top
KiKit_MB_38_1  -  [NPTH]  100.41 81.14 0 top
KiKit_MB_38_2  -  [NPTH]  101.25 81.14 0 top
KiKit_MB_38_3  -  [NPTH]  102.09 81.14 0 top
KiKit_MB_38_4  -  [NPTH]  102.93 81.14 0 top
KiKit_MB_38_5  -  [NPTH]  103.76 81.14 0 top
KiKit_MB_38_6  -  [NPTH]  104.25 81.49 0 top
KiKit_MB_38_7  -  [NPTH]  104.25 82.33 0 top
KiKit_MB_38_8  -  [NPTH]  104.25 83.17 0 top
KiKit_MB_38_9  -  [NPTH]  104.25 84 0 top
KiKit_MB_38_10  -  [NPTH]  104.25 84.84 0 top
KiKit_MB_38_11  -  [NPTH]  104.25 85.68 0 top
KiKit_MB_38_12  -  [NPTH]  104.25 86.52 0 top
KiKit_MB_38_13  -  [NPTH]  104.25 87.35 0 top
KiKit_MB_38_14  -  [NPTH]  104.29 88.1 0 top
KiKit_MB_38_15  -  [NPTH]  104.85 87.48 0 top
KiKit_MB_38_16  -  [NPTH]  105.41 86.86 0 top
KiKit_MB_39_1  -  [NPTH]  68.85 46.98 0 top
KiKit_MB_40_1  -  [NPTH]  68.62 47.14 0 top
KiKit_MB_40_2  -  [NPTH]  67.97 47.64 0 top
KiKit_MB_40_3  -  [NPTH]  67.33 48.15 0 top
KiKit_MB_40_4  -  [NPTH]  66.71 48.69 0 top
KiKit_MB_40_5  -  [NPTH]  66.1 49.24 0 top
KiKit_MB_40_6  -  [NPTH]  65.5 49.81 0 top
KiKit_MB_41_1  -  [NPTH]  64.32 51.08 0 top
KiKit_MB_42_1  -  [NPTH]  78.17 42.67 0 top
KiKit_MB_42_2  -  [NPTH]  77.31 42.89 0 top
KiKit_MB_42_3  -  [NPTH]  76.46 43.15 0 top
KiKit_MB_42_4  -  [NPTH]  75.62 43.43 0 top
KiKit_MB_42_5  -  [NPTH]  74.79 43.74 0 top
KiKit_MB_42_6  -  [NPTH]  73.98 44.08 0 top
KiKit_MB_42_7  -  [NPTH]  73.17 44.44 0 top
KiKit_MB_43_1  -  [NPTH]  87.25 41.98 0 top
KiKit_MB_43_2  -  [NPTH]  86.42 41.91 0 top
KiKit_MB_43_3  -  [NPTH]  85.58 41.87 0 top
KiKit_MB_43_4  -  [NPTH]  84.75 41.86 0 top
KiKit_MB_43_5  -  [NPTH]  83.91 41.87 0 top
KiKit_MB_43_6  -  [NPTH]  83.08 41.91 0 top
KiKit_MB_43_7  -  [NPTH]  82.25 41.98 0 top
KiKit_MB_44_1  -  [NPTH]  96.33 44.45 0 top